# KiCad board bitdoglab_smd.kicad_pcb (continued)
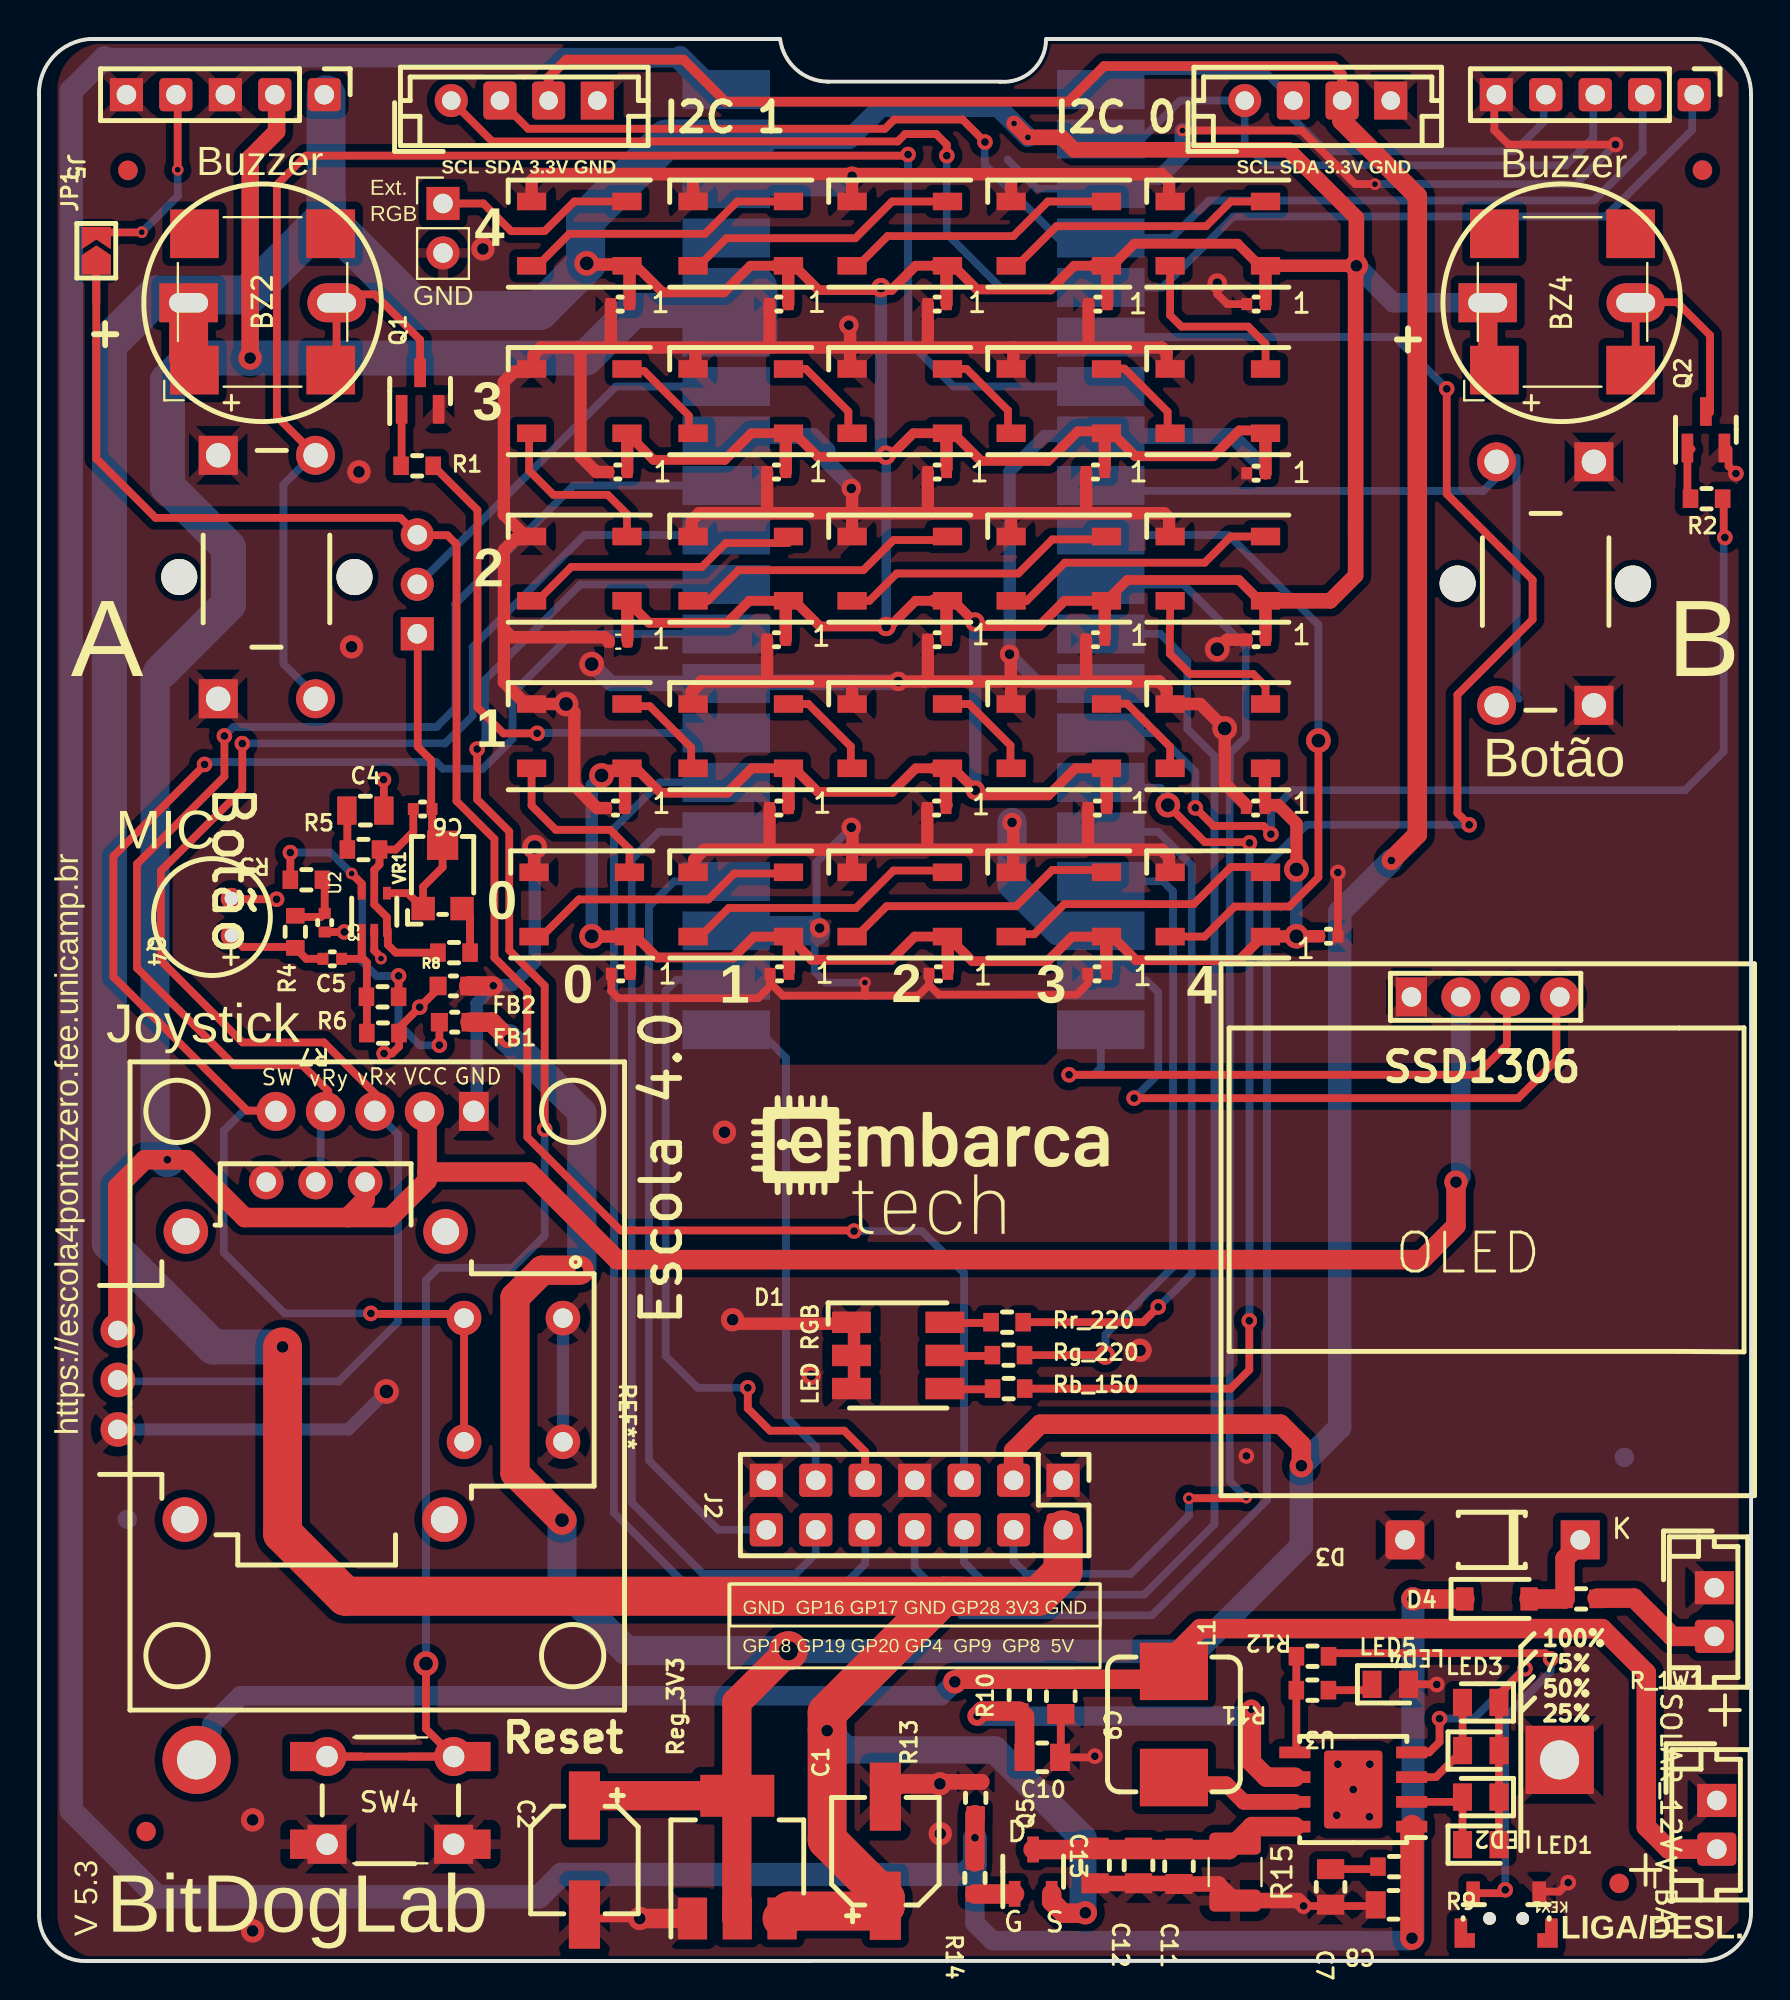
[diagram p0: board, top side]
## Footprints (pads in the part's own frame, mm; a bottom-side part is the same pattern mirrored in y, then rotated)
128x64OLED
  rect 1.6x2 hole 1: 1(-3.62,10.6)
  round 2 hole 1: 2(-1.08,10.6) 3(1.46,10.6) 4(4,10.6)
BatteryHolder_MPD_BH-18650-PC2
  round 3.5 hole 2: 1(0,0)
  rect 3.5x3.5 hole 2: 2(-70,0)
Buzzer_12x9.5RM7.6
  round 1.1 hole 0.7: 1(0.95,1) 2(-0.95,1)
Buzzer_12x9.5RM7.6#2
  rect 3x2 hole 2x1: 1(0,0)
  oval 3x2 hole 2x1: 2(7.6,0)
C_0402_1005Metric
  rrect 0.56x0.62 smd: 1(-0.48,0) 2(0.48,0)
C_0805_2012Metric
  rrect 1x1.45 smd: 1(-0.95,0) 2(0.95,0)
CP_Elec_5x5.9
  rrect 3.5x1.6 smd: 1(-2.8,0) 2(2.8,0)
D_SOD-123
  rrect 0.9x1.2 smd: 1(-1.65,0) 2(1.65,0)
D_T-1_P5.08mm_Horizontal
  rect 2x2 hole 1: 1(-2,0)
  rrect 2x2 hole 1: 2(7,0)
Fiducial_1mm_Mask2mm
  round 1 smd: Un1(0,0)
JST_EH_B2B-EH-A_1x02_P2.50mm_Vertical
  rrect 1.7x2 hole 1: 1(0,0) 2(2.5,0)
JST_EH_B4B-EH-A_1x04_P2.50mm_Vertical
  round 1.7 hole 0.95: 1(0,0)
  rrect 1.7x1.95 hole 0.95: 2(2.5,0) 3(5,0)
  rect 1.7x1.95 hole 0.95: 4(7.5,0)
ky-023
  rect 2x1.524 hole 1.1: 1(2.54,-7.745)
  round 2 hole 1.1: 2(2.54,-10.285) 3(2.54,-12.825) 4(2.54,-15.365) 5(2.54,-17.905)
L_0603_1608Metric
  rrect 0.875x0.95 smd: 1(-0.787,0) 2(0.787,0)
L_Bourns_SRP7028A_7.3x6.6mm
  rect 2.95x3.5 smd: 1(-2.725,0) 2(2.725,0)
LED_0805_2012Metric
  rrect 0.975x1.4 smd: 1(-0.938,0) 2(0.938,0)
LED_RGB_5050-6
  rect 2x1.1 smd: 1(-2.4,1.7) 2(-2.4,0) 3(-2.4,-1.7) 4(2.4,-1.7) 5(2.4,0) 6(2.4,1.7)
LED_WS2812B_PLCC4_5.0x5.0mm_P3.2mm
  rect 1.5x0.9 smd: 1(-2.45,1.65) 2(-2.45,-1.65) 3(2.45,-1.65) 4(2.45,1.65)
MagneticBuzzer_CUI_CMT-8504-100-SMT
  rect 2.5x2.5 smd: 1(-3.5,3.5) 2(-3.5,-3.5) 3(3.5,-3.5) 4(3.5,3.5)
PinHeader_1x02_P2.54mm_Vertical
  rect 1.7x1.7 hole 1: 1(0,0)
  oval 1.7x1.7 hole 1: 2(0,-2.54)
PinHeader_1x03_P2.54mm_Vertical
  rect 1.7x1.7 hole 1: 1(0,0)
  rrect 1.7x1.7 hole 1: 2(0,-2.54) 3(0,-5.08)
PinHeader_1x05_P2.54mm_Vertical
  rrect 1.7x1.7 hole 1: 1(0,0) 2(0,-2.54) 3(0,-5.08) 4(0,-7.62)
  rect 1.7x1.7 hole 1: 5(0,-10.16)
PinHeader_1x05_P2.54mm_Vertical#2
  rrect 1.7x1.7 hole 1: 1(0,0) 2(0,-2.54) 4(0,-7.62)
  rect 1.7x1.7 hole 1: 3(0,-5.08) 5(0,-10.16)
PinHeader_2x07_P2.54mm_Vertical
  rect 1.7x1.7 hole 1: 1(0,0) 7(0,-7.62) 13(0,-15.24)
  rrect 1.7x1.7 hole 1: 2(2.54,0) 3(0,-2.54) 4(2.54,-2.54) 5(0,-5.08) 6(2.54,-5.08) 8(2.54,-7.62) 9(0,-10.16) 10(2.54,-10.16) 11(0,-12.7) 12(2.54,-12.7) 14(2.54,-15.24)
Potentiometer_Bourns_TC33X_Vertical
  rect 1.2x1.2 smd: 1(-1.8,1) 3(-1.8,-1)
  rect 1.5x1.6 smd: 2(1.45,0)
R_0603_1608Metric
  rrect 0.8x0.95 smd: 1(-0.825,0) 2(0.825,0)
R_0603_1608Metric#2
  rrect 0.8x0.95 smd: 1(0.825,0) 2(-0.825,0)
R_0805_2012Metric
  rrect 1.025x1.4 smd: 1(-0.912,0) 2(0.912,0)
R_1210_3225Metric
  rrect 1.125x2.65 smd: 1(-1.462,0) 2(1.462,0)
RPi_PicoW_SMD_TH
  rect 4.5x2 smd: 1(9.62,-24.13) 2(9.62,-21.59) 3(9.62,-19.05) 4(9.62,-16.51) 5(9.62,-13.97) 6(9.62,-11.43) 7(9.62,-8.89) 8(9.62,-6.35) 9(9.62,-3.81) 10(9.62,-1.27) 11(9.62,1.27) 12(9.62,3.81) 13(9.62,6.35) 14(9.62,8.89) 15(9.62,11.43) 16(9.62,13.97) 17(9.62,16.51) 18(9.62,19.05) 19(9.62,21.59) 20(9.62,24.13) 21(-9.62,24.13) 22(-9.62,21.59) 23(-9.62,19.05) 24(-9.62,16.51) 25(-9.62,13.97) 26(-9.62,11.43) 27(-9.62,8.89) 28(-9.62,6.35) 29(-9.62,3.81) 30(-9.62,1.27) 31(-9.62,-1.27) 32(-9.62,-3.81) 33(-9.62,-6.35) 34(-9.62,-8.89) 35(-9.62,-11.43) 36(-9.62,-13.97) 37(-9.62,-16.51) 38(-9.62,-19.05) 39(-9.62,-21.59) 40(-9.62,-24.13)
SolderJumper-2_P1.3mm_Open_TrianglePad1.0x1.5mm
  custom 1.5x1.5 smd: (0.275,0)
  custom 1.15x1.5 smd: (1.225,-0.75)
  rect 0.3x0.3 smd: 1(-0.725,0) 2(0.725,0)
SOP-8_5.28x5.23mm_P1.27mm
  rrect 1.6x0.6 smd: 1(-3,1.905) 2(-3,0.635) 3(-3,-0.635) 4(-3,-1.905) 5(3,-1.905) 6(3,-0.635) 7(3,0.635) 8(3,1.905)
  rrect 3x4 smd: 9(0,0)
SOT-23
  rrect 1.475x0.6 smd: 1(-0.938,0.95) 2(-0.938,-0.95) 3(0.938,0)
SOT-23-3
  rrect 1.325x0.6 smd: 1(-1.137,0.95) 2(-1.137,-0.95) 3(1.137,0)
SOT-223
  rect 2.15x1.5 smd: 1(-3.15,2.3) 2(-3.15,0) 3(-3.15,-2.3)
  rect 2.15x3.8 smd: 4(3.15,0)
SOT-353_SC-70-5
  rect 0.65x0.4 smd: 1(-0.95,0.65) 2(-0.95,0) 3(-0.95,-0.65) 4(0.95,-0.65) 5(0.95,0.65)
SW_Push_1P1T_NO_6x6mm_H9.5mm
  rect 2.5x1.5 smd: 1(-3.9,2.25) 1(3.9,2.25) 2(-3.9,-2.25) 2(3.9,-2.25)
SW_PUSH_6mm
  round 2 hole 1.1: 1(0,0) 1(6.5,0)
  rect 2x2 hole 1.1: 2(0,-4.5) 2(6.5,-4.5)
SW_PUSH_6mm_b
  round 1.85 hole 1.85 unplated: (6.25,2) (6.25,-7)
  round 2 hole 1.25: 1(0,0) 1(12.5,0)
  rect 2x2 hole 1.25: 2(0,-5) 2(12.5,-5)
SW_SPST_CK_KMS2xxGP
  rrect 0.7x1.2 smd: 1(1.7,-1.3) 2(-1.7,-1.3)
  rect 0.4x0.75 smd: 3(1.8,1.13) 4(-1.8,1.13)
  rect 0.65x1.5 smd: 3(2.325,0.75) 4(-2.325,0.75)
  round 0.65 hole 0.65: Un1(-0.85,0) Un2(0.85,0)
XDCR_COM-09032
  round 1.778 hole 1: B1A(-3.175,12.7) B1B(3.175,12.7) B2A(-3.175,7.62) B2B(3.175,7.62) H1(-2.54,-10.16) H2(0,-10.16) H3(2.54,-10.16) V1(-10.16,2.54) V2(-10.16,0) V3(-10.16,-2.54)
  round 2.286 hole 1.397: S1(-7.62,6.668) S1(7.17,6.615) S2(-7.62,-6.668) S2(7.17,-6.72)

## Nets
+3.3V: C2.1 FB1.2 J2.3 J20.3 J21.3 Reg_3V3.2 Reg_3V3.4
AVCC: FB1.1 R3.2 R6.2 U2.5
GNDA: C3.2 C4.2 FB2.1 Q4.2 R7.1 U2.2
GNDREF: A1.3 A1.8 A1.13 A1.18 A1.23 A1.28 A1.33 A1.38 BT1.2 C1.2 C2.2 C7.2 C8.2 C9.2 C10.2 C11.2 C12.2 C13.2 C14.1 C15.1 C16.1 C17.1 C18.1 C19.1 C20.1 C21.1 C22.1 C23.1 C24.1 C25.1 C26.1 C27.1 C28.1 C29.1 C30.1 C31.1 C32.1 C33.1 C34.1 C35.1 C36.1 C37.1 C38.1 CARGA_SOLAR1.1 D1.1 D1.2 D1.3 D2.3 D3.2 D5.3 D6.3 D7.3 D8.3 D9.3 D10.3 D11.3 D12.3 D13.3 D14.3 D15.3 D16.3 D17.3 D18.3 D19.3 D20.3 D21.3 D22.3 D23.3 D24.3 D25.3 D26.3 D27.3 D28.3 FB2.2 J2.1 J2.7 J2.13 J3.2 J5.3 J5.5 J12.5 J19.1 J20.4 J21.4 KEY1.2 LED5.2 OLED1.1 Q1.2 Q2.2 R13.2 R15.2 REF**.B1A REF**.B1B REF**.H3 REF**.V3 Reg_3V3.1 SW1.2 SW2.2 SW3.2 SW4.2 U3.9 V_BAT1.1
VBUS: A1.40 C8.1 D4.1 R9.2 R13.1 R14.1 U3.1
3.3_OUT: A1.35 A1.36 J5.2 J19.2 OLED1.2 REF**.H1 REF**.V1
/GP0: A1.1 J12.4 J21.2
/GP01: A1.2 J12.3 J21.1
/GP02: A1.4 J12.2 J20.2
/GP03: A1.5 J12.1 J20.1
/GP04: A1.6 J2.8
/GP08: A1.11 J2.4
/GP09: A1.12 J2.6
/GP10: A1.14 R2.1
/GP11: A1.15 Rb_150.2
/GP12: A1.16 Rr_220.2
/GP13: A1.17 Rg_220.2
/GP16: A1.21 J2.11
/GP17: A1.22 J2.9
/GP18: A1.24 J2.14
/GP19: A1.25 J2.12
/GP20: A1.26 J2.10
/GP28: J1.3 J2.5 JP1.1
/GP28_uC: A1.34 J1.2
/in: A1.10 D2.4
/pino_07: A1.7 SW2.1
/pino_09: A1.9 SW3.1
/pino_19: A1.19 OLED1.4
/pino_20: A1.20 OLED1.3
/pino_27: A1.27 R1.1
/pino_29: A1.29 J19.5 REF**.B2A REF**.B2B
/pino_30: A1.30 SW1.1 SW4.1
/pino_31: A1.31 J19.3 REF**.H2
/pino_32: A1.32 J19.4 REF**.V2
/pino_37: A1.37
V_BAT +: BT1.1 C9.1 L1.2 R10.2 V_BAT1.2
VSYS: A1.39 BZ1.1 BZ2.1 BZ3.1 BZ4.1 C1.1 C14.2 C15.2 C16.2 C17.2 C18.2 C19.2 C20.2 C21.2 C22.2 C23.2 C24.2 C25.2 C26.2 C27.2 C28.2 C29.2 C30.2 C31.2 C32.2 C33.2 C34.2 C35.2 C36.2 C37.2 C38.2 D2.1 D5.1 D6.1 D7.1 D8.1 D9.1 D10.1 D11.1 D12.1 D13.1 D14.1 D15.1 D16.1 D17.1 D18.1 D19.1 D20.1 D21.1 D22.1 D23.1 D24.1 D25.1 D26.1 D27.1 D28.1 J2.2 J5.1 Q5.2 Reg_3V3.3
Net-(BZ1-+): BZ1.2 BZ2.2 Q1.3
Net-(BZ3-+): BZ3.2 BZ4.2 Q2.3
Net-(C3-P$1): C3.1 R3.1 R4.2
Net-(C4-P$1): C4.1 R5.1
Net-(C5-P$1): C5.1 Q4.1 R4.1
Net-(C5-P$2): C5.2 R6.1 R7.2 U2.1
Net-(C6-P$1): C6.1 J1.1 U2.4 VR1.1 VR1.2
Net-(C6-P$2): C6.2 R5.2 R8.1 U2.3
Net-(C7-Pad1): C7.1 R9.1
Net-(CARGA_SOLAR1-Pin_2): CARGA_SOLAR1.2 R_1W1.2
Net-(D1-BA): D1.4 Rb_150.1
Net-(D1-GA): D1.5 Rg_220.1
Net-(D1-RA): D1.6 Rr_220.1
Net-(D2-DOUT): D2.2 D5.4
Net-(D3-K): D3.1 D4.2 R_1W1.1
Net-(D5-DOUT): D5.2 D6.4
Net-(D6-DOUT): D6.2 D7.4
Net-(D7-DOUT): D7.2 D8.4
Net-(D10-DIN): D10.4 D11.2
Net-(D10-DOUT): D9.4 D10.2
Net-(D11-DIN): D11.4 D12.2
Net-(D12-DIN): D12.4 D13.2
Net-(D13-DIN): D8.2 D13.4
Net-(D14-DIN): D9.2 D14.4
Net-(D14-DOUT): D14.2 D15.4
Net-(D15-DOUT): D15.2 D16.4
Net-(D16-DOUT): D16.2 D17.4
Net-(D17-DOUT): D17.2 D18.4
Net-(D18-DOUT): D18.2 D25.4
Net-(D19-DIN): D19.4 D21.2
Net-(D19-DOUT): D19.2 D20.4
Net-(D20-DOUT): D20.2 D22.4
Net-(D21-DIN): D21.4 D23.2
Net-(D22-DOUT): D22.2 D24.4
Net-(D23-DIN): D23.4 D27.2
Net-(D24-DOUT): D24.2 D26.4
Net-(D25-DOUT): D25.2 D27.4
Net-(D26-DOUT): D26.2 D28.4
Net-(D28-DOUT): D28.2 J3.1
Net-(J5-Pin_4): J5.4 JP1.2
Net-(KEY1-Pad1): KEY1.1 R12.1
Net-(LED1-A): LED1.1 LED2.2 U3.2
Net-(LED1-K): LED1.2 LED2.1 LED3.2 LED4.1 U3.4
Net-(LED3-A): LED3.1 LED4.2 U3.3
Net-(LED5-A): LED5.1 R11.1
Net-(Q1-B): Q1.1 R1.2
Net-(Q2-B): Q2.1 R2.2
Net-(Q5-D): C11.1 C12.1 C13.1 Q5.3 R15.1 U3.8
Net-(Q5-G): Q5.1 R14.2
Net-(U3-BAT): C10.1 R10.1 U3.6
Net-(U3-KEY): R11.2 R12.2 U3.5
Net-(U3-SW): L1.1 U3.7
Net-(VR1-E): R8.2 VR1.3

Pads without a net: BZ2 3 4; BZ4 3 4; FID1 Un1; FID2 Un1; FID3 Un1; FID4 Un1; FID5 Un1; FID6 Un1; FID7 Un1; FID8 Un1; KEY1 3 4 Un1 Un2; REF** S1 S2

## Via types
v1: diameter 0.8, hole 0.4, Top to Bottom, 55 vias
v2: diameter 0.6, hole 0.3, Top to Bottom, 11 vias
v3: diameter 1.2, hole 0.6, Top to Bottom, 21 vias
v4: diameter 1.27, hole 0.711, Top to Bottom, 15 vias
v5: diameter 1, hole 0.5, Top to Bottom, 16 vias
v6: diameter 2, hole 1, Top to Bottom, 1 via

## Routing (per net, layer and track width the routed paths; a pad name or vN(x,y) marks a point on that pad's centre or on a via; arc(x,y) is an arc through that point)
+3.3V: length 241.9
  Top w0.5: 66.78,97 66.5,97.28 54.7,97.28 52.88,95.45 35.26,95.45 33.1,97.61 27.09,97.61 26.17,96.69 J20.3 ; J21.3 66.92,96.86
  Top w1: v3(64.83,25.43) 64.83,26.49 63.77,27.56 51.42,27.56 50.05,26.19 J2.3 ; FB1.2 23.24,48.2 v1(24.08,47.36) ; v1(69.45,56.5) 70.79,57.83 70.79,90.6 66.92,94.46 J21.3
  Top w1.5: Reg_3V3.4 28.51,8.49 C2.1 ; v4(26.86,22.63) 24.45,25.05 24.45,34.06 25.85,35.46 v1(27.75,35.46) ; v6(38.49,15.93) 35.84,13.28 35.84,2.21 Reg_3V3.2
  Bottom w1.2: v1(69.45,56.5) 66.8,53.85 66.8,27.4 v3(64.83,25.43) 64.83,21.32 59.42,15.9 38.52,15.9 v6(38.49,15.93)
  Bottom w1.5: v4(26.86,22.63) 26.86,19.25 30.17,15.94 38.48,15.94 v6(38.49,15.93) ; v1(27.75,35.46) 27.88,35.59 27.88,43.56 v1(24.08,47.36)
AVCC: length 20.4
  Top w0.4: v2(16.06,55.82) 16.57,55.31 U2.5 ; 18.46,50.58 v1(18.47,50.57) R6.2 ; R3.2 v1(12.91,56.9) 12.9,56.91 ; v1(20.56,47.02) FB1.1
  Bottom w0.4: v1(20.56,47.02) 19.54,47.02 18.47,48.09 v1(18.47,50.57) 17.33,50.57 16.6,51.3 16.6,55.28 v2(16.06,55.82) 14.98,56.9 v1(12.91,56.9)
GNDA: length 11.4
  Top w0.4: C4.2 17.71,60.63 v1(17.69,60.65) ; U2.2 17.22,51.88 17.6,51.5 17.57,51.46 v2(17.57,51.46) ; v1(15.68,52.83) C3.2 ; FB2.1 20.5,49.91 v1(19.55,48.97) 18.49,47.9 R7.1 18.49,46.94 18.13,46.59 v1(17.72,46.59) ; v1(12.2,54.51) 9.99,54.51 9.92,54.58
GNDREF: length 498.6
  Top w0.4: 13.5,6 SW1.2 ; 28.01,2.24 28.06,2.19 ; 28.06,2.19 v3(30.85,2.19) ; 28.06,2.19 28.03,2.19 27.79,1.95 ; C9.2 52.48,10.49 C10.2 54.17,10.46 v1(54.23,10.52) ; 45.71,50.11 45.16,49.56 42.42,49.56 ; 45.71,50.11 C16.1 ; 45.71,50.11 46.22,49.61 53.29,49.61 53.86,50.18 C15.1 ; 86.77,77.62 86.77,76.74 v1(87.15,76.36) ; C38.1 61.03,85.06 60.52,85.57 v5(60.52,86.13) ; 23.32,50.06 v1(23.33,50.07) ; v1(80.96,93.25) 75.47,93.25 74.74,93.98 74.74,95.81 ; v1(78.54,4.03) 78.08,3.57 77.11,3.57 ; v5(39.66,30.07) 39.71,30.02 ; C13.2 54.25,3.98 ; LED5.2 71.78,14.21 v1(71.79,14.2) ; SW1.2 22.6,6 ; 42.42,49.56 v2(42.42,50.23) ; 42.42,49.56 38.21,49.56 37.55,50.21 C17.1 37.55,50.05 36.93,49.43 29.75,49.43 29.39,49.78 C18.1 ; v3(46.27,9.1) 46.68,9.1 ; C8.2 68.59,2.83 v1(64.95,2.83) 64.91,2.83 ; C14.1 v1(66.71,55.88) ; v2(68.61,91.22) 67.6,91.22 64.85,93.97 v2(58.72,93.97) ; 58.52,3.98 C11.2
  Top w0.635: 41.66,82.83 45.59,82.83 ; 41.66,82.83 41.66,81.83 D23.3 ; 41.66,82.83 41.66,83.91 v5(41.59,83.98) ; 41.66,82.83 37.69,82.83 ; 45.59,82.83 45.65,82.89 C34.1 ; 45.59,82.83 50.04,82.83 ; 45.59,57.05 50.04,57.05 ; 45.59,57.05 41.78,57.05 ; 45.59,57.05 45.62,57.08 C23.1 ; 50.04,57.05 53.85,57.05 ; 50.04,57.05 50.04,58.38 v5(49.98,58.45) ; 50.04,57.05 50.04,56.12 49.93,56.01 ; 58.09,56.16 58.04,56.21 58.04,56.67 57.66,57.05 53.85,57.05 ; 23.88,68.35 23.88,72.42 24.45,72.99 24.87,72.99 24.87,73.13 ; 23.88,68.35 24.27,67.96 29.04,67.96 C28.1 ; 23.88,68.35 23.88,65.65 24.75,64.78 ; 49.91,65.69 49.91,67.02 v5(49.85,67.08) ; 49.91,65.69 45.47,65.69 ; 49.91,65.69 53.72,65.69 ; 49.91,65.69 49.93,65.67 D10.3 ; 27.56,82.83 29.34,82.83 ; 27.56,82.83 25.78,82.83 25.4,82.45 25.4,81.83 D25.3 25.17,81.59 24.42,81.59 23.88,81.05 23.88,74.25 25,73.13 D18.3 ; 27.56,82.83 27.81,82.58 27.81,77.24 28.62,76.44 C29.1 ; 29.34,82.83 29.37,82.86 C30.1 ; 29.34,82.83 33.72,82.83 ; D16.3 41.76,74.32 ; 41.76,74.32 41.76,75.55 v5(41.72,75.59) ; 41.76,74.32 45.85,74.32 ; 41.76,74.32 37.47,74.32 ; 45.85,74.32 49.91,74.32 ; 45.85,74.32 45.65,74.52 C33.1 ; 49.91,74.32 53.6,74.32 ; 49.91,74.32 49.93,74.31 D15.3 ; 41.66,65.69 41.76,65.58 D11.3 ; 41.66,65.69 v5(44.13,65.69) 45.47,65.69 ; 41.66,65.69 37.34,65.69 ; 50.04,82.83 50.04,81.84 D21.3 ; 50.04,82.83 53.85,82.83 ; C22.1 53.78,65.74 53.72,65.69 ; C27.1 28.66,59.19 28.11,59.74 ; 37.47,74.32 37.4,74.39 C31.1 ; 37.47,74.32 33.91,74.32 33.53,73.94 33.53,73.19 D17.3 ; C25.1 37.52,57.12 37.59,57.05 ; D12.3 33.53,64.59 33.53,65.18 34.04,65.69 37.34,65.69 ; 41.78,57.05 37.59,57.05 ; 41.78,57.05 41.76,57.03 41.76,55.98 ; 41.78,57.05 41.78,58.13 v5(41.72,58.19) ; 45.47,65.69 45.65,65.87 C24.1 ; D27.3 33.72,81.85 33.72,82.83 ; 53.6,74.32 53.78,74.51 C35.1 ; 53.6,74.32 57.79,74.32 58.04,74.07 58.04,73.18 D14.3 ; 53.85,57.05 53.88,57.08 C21.1 ; 33.72,82.83 37.69,82.83 ; 28.11,59.74 27.5,60.35 27.5,64.1 v4(27.07,64.53) D13.3 ; 28.11,59.74 28.39,59.46 ; D26.3 33.59,91.66 33.53,91.72 49.79,91.72 ; 34.38,91.72 25.64,91.72 25.3,91.39 D28.3 ; 37.59,57.05 34.16,57.05 33.66,56.54 33.66,55.95 D7.3 ; C32.1 37.52,83 37.69,82.83 ; 37.34,65.69 37.4,65.74 C26.1 ; 53.72,65.69 57.53,65.69 57.91,65.31 57.91,64.53 59.64,64.53 v4(60.9,63.27) 60.9,60.44 62.01,59.34 ; D24.3 v5(41.76,91.62) ; C20.1 61.01,67.83 v4(60.52,67.34) ; D19.3 58.05,81.73 57.91,81.86 57.91,82.58 57.66,82.83 53.85,82.83 ; D2.3 58.23,56.02 ; 49.79,91.72 57.67,91.72 58.04,91.35 58.04,90.38 D20.3 ; 49.79,91.72 49.93,91.58 D22.3 ; 53.85,82.83 53.91,82.89 C36.1 ; 41.86,29.32 41.86,32.72 35.98,32.72 35.78,32.92 v3(35.62,32.92) ; D8.3 25.43,57.14 v4(25.46,57.18)
  Top w0.8: v1(64.95,2.83) 64.67,3.1 R15.2 60.58,3.95 C11.2 ; 54.25,3.98 58.52,3.98 ; v3(46.27,9.1) 46.38,9.2 48.43,9.2
  Top w1: FB2.2 23.32,50.06 ; v3(46.27,9.1) 44.13,9.1 C1.2 ; v3(30.85,2.19) Reg_3V3.1
  Bottom w0.4: 39.9,52.89 40.04,53.03 v5(40.09,53.03) ; v5(41.72,58.19) 39.93,56.41 39.93,53.18 v5(40.09,53.03) ; v2(68.61,91.22) 78.93,91.22 v1(80.96,93.25) ; v5(40.09,53.03) 39.84,52.77 39.84,50.8 40.41,50.23 v2(42.42,50.23) ; 52.9,52.89 A1.18 ; 53.9,90.99 51.23,90.99 49.76,92.46 49.76,92.49
  Bottom w0.635: 22.47,43.66 22.47,49.16 23.33,50.02 v1(23.33,50.07) 23.37,50.1 24.3,50.1 25.46,51.26 v4(25.46,57.18) ; A1.8 51.65,78.29 49.85,76.48 v5(49.85,67.08) 51.35,65.59 A1.13 ; REF**.H3 15.9,27.29 v4(17.84,29.24) ; REF**.B1B REF**.B1A
  Bottom w0.8: v2(58.72,93.97) 58.72,92.72 57.59,91.59 55.13,91.59 A1.3 53.9,90.99 ; v5(44.13,65.69) 44.08,65.64 35.35,65.64 A1.28 29.38,65.59 v4(28.39,66.58) ; v5(41.76,91.62) 41.63,91.62 41,90.99 A1.38 ; A1.33 39.79,78.29 40.5,77.58 40.5,76.94 41.72,75.72 v5(41.72,75.59) ; 62.65,76.92 61.28,78.29 A1.8
  Bottom w1.5: v5(49.98,58.45) 49.98,55.27 52.36,52.89 52.9,52.89 ; 36.92,52.89 39.9,52.89
  vias: v1(62.01,25.93) v1(66.65,7.49) v1(66.71,10.11) v1(67.5,8.81) v1(68.35,10.11) v1(68.33,7.41) v3(10.97,7.25) v3(10.97,1.55) v3(16.05,67.47) v3(16.43,76.45) v3(22.8,87.89) v3(35.2,42.55) v3(46.29,6.54) v3(56.55,31.35)
VBUS: length 237.2
  Top w0.4: 70.41,4.49 70.4,4.51 70.4,6.8 U3.1 ; 48.07,7.51 R13.1
  Top w0.8: U3.1 70.5,2.91 C8.1
  Top w1: R14.1 48.07,7.51 ; v3(70.56,18.59) D4.1
  Top w1.2: v3(70.51,1.18) 70.51,6.9
  Bottom w1: 48.07,4.8 48.07,1.95 48.97,1.05 70.39,1.05 v3(70.51,1.18) 70.56,1.23 ; 32.91,97.71 3.36,97.71 ; 34.55,96.07 36.92,96.07
  Bottom w1.2: 48.07,4.8 v1(48.07,6.33) 48.07,4.98 47.53,4.45 26.83,4.45 25.68,3.3 6.09,3.3 1.66,7.73 1.66,96.01 3.36,97.71 ; 70.56,1.23 v3(70.56,18.59) ; 34.55,96.07 32.91,97.71
3.3_OUT: length 190.6
  Top w0.9: 12.2,95.81 12.2,93.91 10.84,92.55 v3(10.84,82.29)
  Top w1: REF**.V1 16.75,39.07 15.84,38.17 ; 19.93,40.51 25.18,40.51 29.68,36.01 71.03,36.01 72.77,37.75 v3(72.77,39.99) ; 19.93,40.51 19.93,40.06 18.04,38.17 15.84,38.17 ; 19.93,40.51 19.93,43.66 ; REF**.H1 4.05,39.75 5.44,41.14 v1(6.59,41.14) 7.59,41.14 10.56,38.17 15.84,38.17
  Bottom w0.4: 72.7,40.06 v3(72.77,39.99)
  Bottom w1: v3(72.77,39.99) 72.77,40.04 73.03,40.29 OLED1.2
  Bottom w1.5: 6.24,41.49 5.96,41.77 5.96,65.89 6.24,66.17
  Bottom w1.8: 6.24,41.49 v1(6.59,41.14) ; 6.24,66.17 9.73,69.66 9.73,72.57 6.59,75.71 6.59,81.13 7.75,82.29 v3(10.84,82.29) 28.07,82.29 30.52,84.74 36.92,84.74
  Bottom w2: 36.92,83.37 36.92,85.91
/GP0: length 29.1
  Bottom w0.4: 77.28,95.81 77.28,94.41 75.78,92.91 66.07,92.91 64.42,94.56 J21.2 62.9,97.03 56.28,97.03 55.32,96.07 52.9,96.07
/GP01: length 33.2
  Bottom w0.4: 52.9,93.53 56.62,93.53 58.6,95.51 J21.1 61.92,93.29 63.03,92.18 78.42,92.18 79.82,93.59 79.82,95.81
/GP02: length 67.3
  Top w0.4: v1(48.58,93.38) 47.43,94.53 43.92,94.53 43.45,94.06 25.12,94.06 J20.2
  Bottom w0.4: 82.36,95.81 82.36,92.88 79.86,90.38 60.09,90.38 58.16,88.45 A1.4 ; v1(48.58,93.38) 48.57,93.37 48.57,92.22 52.34,88.45 54.39,88.45
/GP03: length 76.6
  Top w0.4: J20.1 23.27,93.41 44.1,93.41 44.48,93.79 46.08,93.79 46.62,93.24 v1(46.62,92.68)
  Bottom w0.4: v1(46.62,92.68) 46.62,88.68 49.39,85.91 53.8,85.91 ; 53.8,85.91 A1.5 57.7,85.91 61.35,89.56 80.46,89.56 84.9,94 84.9,95.81 ; 53.8,85.91 53.95,86.06 54.53,86.06
/GP04: length 113.9
  Top w0.4: v1(72.3,80.71) 72.3,75.31 76.71,70.9 76.71,68.87 72.85,65.01 72.85,58.93 v1(73.45,58.33)
  Bottom w0.4: J2.8 44.97,20.16 47.39,17.75 57.16,17.75 63.07,23.66 63.07,56.29 65.11,58.33 v1(73.45,58.33) ; v1(72.3,80.71) 69.64,83.37 52.9,83.37
/GP08: length 70.5
  Top w0.4: v2(59.06,23.76) 61.97,23.76 v2(62,23.79)
  Bottom w0.4: J2.4 50.05,20.52 50.7,19.88 56.07,19.88 59.06,22.87 v2(59.06,23.76) ; v2(62,23.79) 61.16,24.63 61.16,62 61.98,62.82 61.98,67.46 58.77,70.67 53.15,70.67
/GP09: length 68.3
  Bottom w0.4: J2.6 47.52,20.46 49.17,18.81 56.76,18.81 60.37,22.42 60.37,61.86 58.98,63.25 58.98,66.74 57.59,68.13 52.9,68.13
/GP10: length 50.7
  Top w0.4: 86.52,75.06 86.52,73.14 v1(86.58,73.08) ; 59.38,59.21 60.32,58.27 62.89,58.27 63.29,57.87
  Bottom w0.4: v1(59.39,59.2) 59.39,61.04 57.38,63.05 A1.14 ; v1(63.27,57.85) 63.27,58.99 64.39,60.11 84.54,60.11 86.52,62.09 86.52,73.01 v1(86.58,73.08)
/GP11: length 49.8
  Top w0.4: v1(62.16,32.87) 62.16,30.35 61.2,29.38 Rb_150.2 ; v1(62.17,57.4) 62.13,57.44 59.88,57.44 v4(57.98,59.34)
  Bottom w0.4: v4(57.98,59.34) 57.98,59.85 57.6,60.23 54.81,60.23 A1.15 52.9,60.51 ; v1(62.16,32.87) 62.17,32.88 v1(62.17,57.4)
/GP12: length 36
  Top w0.4: v1(57.48,33.58) 56.7,32.79 Rr_220.2
  Bottom w0.4: A1.16 57.48,57.97 59.2,56.24 59.2,35.27 57.51,33.58
/GP13: length 33.3
  Top w0.4: v5(54.77,31.11) 54.77,31.1 Rg_220.2
  Bottom w0.4: v5(54.77,31.11) 54.77,32.15 58.25,35.62 58.25,54.91 57.73,55.43 A1.17
/GP16: length 24.4
  Bottom w0.4: J2.11 39.89,26.4 38.36,27.93 38.36,46.37 36.92,47.81
/GP17: length 38.1
  Top w0.4: J2.9 42.43,26.15 41.35,27.23 37.54,27.23 36.4,28.37 v1(36.4,29.43)
  Bottom w0.4: 36.92,50.35 36.89,50.38 32.75,50.38 32.18,49.81 32.18,31.07 33.82,29.43 v1(36.4,29.43)
/GP18: length 42.1
  Bottom w0.4: 36.92,55.43 32.62,55.43 31.32,54.13 31.32,25.7 34.89,22.14 J2.14
/GP19: length 52.7
  Bottom w0.4: 36.92,57.97 31.84,57.97 30.44,56.57 30.44,23.53 34.1,19.88 38.87,19.88 39.89,20.9 J2.12
/GP20: length 60.5
  Bottom w0.4: 36.92,60.51 31.89,60.51 29.53,58.14 29.53,23.01 33.61,18.93 40.97,18.93 42.43,20.39 J2.10
/GP28: length 100.4
  Top w0.4: 2.94,85.16 2.94,87.37 ; 2.94,85.16 JP1.1 ; 2.94,85.16 2.94,77.13 5.99,74.08 18.57,74.08 19.45,73.19 20.98,73.19 21.44,72.72 21.44,59.55 23.39,57.6 23.39,51.5 25.08,49.81 25.08,42.29 29.87,37.51 41.83,37.51 v1(41.86,37.47)
  Bottom w0.4: J2.5 47.52,35.3 45.35,37.47 v1(41.86,37.47)
/GP28_uC: length 20.1
  Bottom w0.4: A1.34 29.63,80.83 19.45,70.65
/in: length 36.6
  Top w0.4: v4(65.71,62.65) 65.71,55.63 64.21,54.13 61.41,54.13 59.86,52.59 D2.4
  Bottom w0.4: v4(65.71,62.65) 65.71,68.59 61.09,73.21 A1.10 52.9,73.21
/pino_07: length 80.4
  Top w0.4: v1(44.63,92.74) 44.58,92.68 13.71,92.68 12.22,91.19 12.22,79.28 SW2.1
  Bottom w0.4: v1(44.63,92.74) 44.63,83.17 46.97,80.83 52.9,80.83 ; 14.2,77.45 12.55,75.8 12.55,66.6 14.2,64.95
/pino_09: length 36.2
  Bottom w0.4: 52.9,75.75 53.18,75.47 74.17,75.47 75.88,77.18 75.88,64.92 76,64.8
/pino_19: length 36.5
  Top w0.4: 77.93,49.49 77.93,46.25 75.97,44.3 v1(56.24,44.3)
  Bottom w0.4: 52.9,50.35 A1.19 56.86,50.35 57.48,49.73 57.48,45.53 v1(56.24,44.3)
/pino_20: length 29.3
  Top w0.4: v1(52.9,45.5) 73.84,45.5 75.39,47.04 75.39,49.49
  Bottom w0.4: v1(52.9,45.5) 54.17,45.5 54.53,45.86 A1.20
/pino_27: length 28.4
  Top w0.4: 25.59,63.02 23.85,63.02 22.52,64.35 22.52,74.49 R1.1
  Bottom w0.4: 25.49,63.05 A1.27 36.92,63.05
  vias: v1(25.59,63.02)
/pino_29: length 85
  Top w0.4: REF**.B2B REF**.B2A 21.62,33.22 17.07,33.22 v1(17.04,33.25) ; v1(8.5,61.43) 8.5,61.4 3.82,56.72 3.82,50.53 10.69,43.66 12.31,43.66
  Bottom w0.4: v1(8.5,61.43) 8.62,61.55 20.4,61.55 20.74,61.21 22.79,61.21 24.32,62.73 24.32,65.08 27.37,68.13 A1.29 ; v1(17.04,33.25) 12.61,33.25 9.49,36.37 9.49,42.63 10.52,43.66 12.31,43.66
/pino_30: length 91.4
  Top w0.4: 16.58,10.5 13.5,10.5 ; 16.58,10.5 19.03,10.5 ; 16.58,10.5 SW1.1 ; v1(25.97,42.7) 25.97,50.07 24.15,51.89 24.15,57.98 22.5,59.63 v1(22.5,62.22) ; 19.03,10.5 SW1.1 19.88,11.92 v4(19.88,15.27) ; 19.03,10.5 22.6,10.5
  Bottom w0.4: v1(22.5,62.22) 22.92,62.64 22.92,65.79 27.8,70.67 36.92,70.67 ; v1(25.97,42.7) 25.97,37.24 24.32,35.59 20.51,35.59 19.88,34.95 v4(19.88,15.27)
/pino_31: length 85.6
  Top w0.4: 17.29,43.76 17.29,44.5 14.63,47.16 10.45,47.16 6.26,51.35 6.26,55.97 10.44,60.15 v1(10.44,62.5)
  Bottom w0.4: 17.39,43.48 18.44,42.44 18.44,32.8 15.39,29.76 4.13,29.76 REF**.H2 ; v1(10.44,62.5) 10.45,62.51 20.85,62.51 22.27,63.93 22.27,67.46 28.02,73.21 A1.31
/pino_32: length 65.5
  Top w0.4: v1(9.52,62.89) 9.52,60.8 5.03,56.32 5.03,50.98 10.02,45.99 13.53,45.99 14.85,44.66 14.85,43.66
  Bottom w0.4: 35.51,75.75 27.46,75.75 21.38,69.66 21.38,64.3 20.42,63.35 9.98,63.35 v1(9.52,62.89) ; REF**.V2 14.47,40.25 14.47,43.38 J19.4
V_BAT +: length 92.5
  Top w0.4: 50.43,14.33 50.43,14.33 ; 52.82,14.53 52.5,14.21 ; L1.2 58.29,15.71
  Top w1: V_BAT1.2 83.69,5.74 82.55,6.89 82.55,14.8 80.28,17.07 59.64,17.07 58.29,15.71 ; v3(47.03,14.33) 47.17,14.47 54.02,14.47 ; 58,14.53 57.93,14.47 54.02,14.47 ; 54.02,14.47 52.88,14.47 52.82,14.53
  Bottom w1: BT1.1 8.09,11 8.88,11.78 8.88,12.14 10.35,13.62 46.32,13.62 v3(47.03,14.33)
VSYS: length 552.4
  Top w0.5: D7.1 39.69,51.4 43.78,51.4 44.97,52.59 D6.1 ; 62.69,87.02 61.56,88.16 56.26,88.16 55.13,87.02 ; 37.89,52.59 36.72,52.59 35.65,51.52 31.74,51.52 30.63,52.63 ; 38.79,61.23 40,60.02 43.82,60.02 45.03,61.23 45.99,61.23 ; 55.13,52.59 56.34,51.38 61.64,51.38 62.92,52.66 ; 54.17,87.02 53.17,87.02 51.95,85.81 48.18,85.81 46.96,87.02 ; 46.96,69.83 48.06,68.73 ; 38.79,78.43 40,77.22 43.42,77.22 v5(43.5,77.3) 43.77,77.3 44.9,78.43 D23.1 ; 38.79,69.83 40.11,68.51 43.7,68.51 45.02,69.83 45.95,69.83 ; 30.63,61.27 31.92,59.98 35.36,59.98 36.61,61.23 38.19,61.23 ; 46.05,87.02 45.03,87.02 43.78,85.78 43.37,85.78 v5(43.24,85.9) 43.12,85.78 40.04,85.78 38.79,87.02 ; 54.26,61.23 53.23,61.23 51.84,59.84 48.35,59.84 v5(48.09,60.1) 46.96,61.23 ; 46.67,52.59 47.94,51.33 51.8,51.33 53.06,52.59 D5.1 ; 37.85,87.02 36.54,87.02 35.17,85.66 32.03,85.66 30.63,87.06 ; 38.19,69.83 36.48,69.83 35.35,68.7 31.33,68.7 D18.1 ; 62.56,69.96 61.63,70.89 55.89,70.89 D15.1 ; 46.96,78.43 48.38,77.01 51.83,77.01 53.35,78.53 54.43,78.53 ; 48.09,68.7 48.26,68.53 51.37,68.53 52.67,69.83 54.53,69.83 ; 38.19,78.43 36.59,78.43 35.22,77.06 31.57,77.06 30.63,78 30.63,78.47 ; 62.99,78.57 61.64,78.57 60.32,77.25 56.31,77.25 55.13,78.43
  Top w0.635: 54.83,52.59 54.82,52.57 54.82,50.84 54.83,50.83 ; 54.83,52.59 55.13,52.59 ; 54.83,52.59 D5.1 ; C32.2 38.48,87.01 ; 38.49,69.83 38.36,69.69 C26.2 ; v4(64.58,56.04) 64.58,58.4 63.64,59.34 62.97,59.34 ; D15.1 55.13,69.83 55.26,69.96 ; D25.1 30.21,78.42 C29.2 ; C37.2 62.99,76.38 D19.1 ; v4(28.13,87.15) 28.19,87.09 30.01,87.09 30.07,87.15 D28.1 30.22,87.02 30.33,86.92 C30.2 ; 62.97,59.46 62.97,61.2 ; D2.1 63,52.6 64.57,52.6 v4(64.58,52.61) C14.2 ; C31.2 38.36,78.29 38.49,78.43 ; 30.1,61.13 30.1,59.2 C27.2 ; 30.1,61.13 D13.1 ; 30.1,61.13 30.07,61.09 29.3,61.09 29.07,60.86 v4(28.89,60.86) ; C20.2 D14.1 62.86,69.96 62.56,69.96 ; D23.1 46.61,78.38 46.61,76.61 ; D16.1 46.61,69.78 C24.2 ; 46.67,50.83 46.67,52.59 D6.1 ; v4(28.39,52.61) 28.4,52.59 D8.1 ; 30.22,67.83 30.22,69.81 D18.1 ; D12.1 38.49,59.2 C25.2 38.48,59.46 ; D10.1 54.84,61.22 C21.2 ; C18.2 30.35,52.59 ; D9.1 63.13,61.36 ; D11.1 46.58,61.15 46.58,59.37 46.61,59.34 ; 45.95,69.83 46.36,69.83 ; C34.2 46.61,86.97 D24.1 ; 54.74,76.61 54.74,78.34 D21.1 ; 54.26,61.23 54.53,61.23 ; 46.05,87.02 46.36,87.02 ; 37.85,87.02 38.19,87.02 ; D22.1 54.87,86.99 C36.2 ; v3(67.66,87.02) D20.1 ; D20.1 62.69,87.02 ; D20.1 C38.2 ; 45.99,61.23 46.36,61.23 ; 54.43,78.53 54.53,78.43 ; 38.51,50.83 38.51,52.57 D7.1 37.89,52.59 ; 54.17,87.02 54.53,87.02 ; 54.74,67.97 54.74,69.74
  Top w0.8: D14.1 66.32,69.83 67.62,71.13 67.62,86.98 v3(67.66,87.02) 67.66,89.49 64.17,92.98 53.16,92.98 52.52,93.62 v2(50.79,93.62) v2(50.08,94.33)
  Top w1: Q5.2 52.01,3.06 52.61,2.46 53.76,2.46 ; BZ4.1 74.4,82.01 BZ3.1
  Top w2: v3(12.51,31.52) 12.51,21.95 15.74,18.73 51.32,18.73 52.59,20 J2.2 ; Reg_3V3.3 38.54,2.57 43.2,2.57 C1.1 43.47,3.23 40.48,6.22 v3(40.48,11.82) 40.48,12.76 46.45,18.73 47.33,18.73 ; BZ1.1 7.68,82.33 7.98,82.03
  Bottom w0.5: v5(43.5,77.3) 43.51,77.29 v5(43.51,68.51)
  Bottom w0.635: v5(48.07,68.74) 48.09,68.72 v5(48.09,60.1) ; v5(43.5,77.3) 43.24,77.55 v5(43.24,85.9) ; v4(28.89,60.86) 28.39,60.35 v4(28.39,52.61) ; v4(64.58,52.61) v4(64.58,56.04)
  Bottom w1: v2(50.79,93.62) 49.24,95.17 43.25,95.17 41.61,93.53 36.92,93.53 ; BZ3.1 69.56,85.13 v3(67.66,87.02)
  Bottom w1.2: 53.62,2.6 53.69,2.53 53.74,2.53
  Bottom w1.4: v3(40.48,11.82) 41.47,10.84 49.09,10.84 53.62,6.31 53.62,2.6
  Bottom w1.8: 3.75,83.24 3.61,83.1 3.61,36.86 8.95,31.52 v3(12.51,31.52)
  Bottom w2: 14.74,90.58 14.74,89.48 19.5,84.73 25.71,84.73 v4(28.13,87.15) ; 14.74,90.58 14.74,95.81 ; 14.74,90.58 14.74,89.51 10.76,85.53 6.04,85.53 3.75,83.24 ; 36.92,93.53 A1.39 32.22,93.53 28.07,89.38 28.07,87.15
  vias: v3(53.74,2.48)
Net-(BZ1-+): length 10.7
  Top w0.4: Q1.3 19.57,83.22 17.24,85.56 15.12,85.56 ; 14.98,82.03 15.28,82.33 15.28,85.53
Net-(BZ3-+): length 11.9
  Top w0.4: BZ4.2 82,81.93 BZ3.2 ; 82.12,85.16 84.12,85.16 85.82,83.46 85.82,79.49
Net-(C3-P$1): length 3.7
  Top w0.4: 12.88,53.69 12.98,53.6 14.48,53.6 C3.1 14.67,55.39 R3.1
Net-(C4-P$1): length 2
  Top w0.4: R5.1 15.84,59.03 C4.1
Net-(C5-P$1): length 5.2
  Top w0.4: Q4.1 10.47,52.06 13.12,52.06 13.73,51.45 C5.1
Net-(C5-P$2): length 6.5
  Top w0.4: 16.65,51.45 16.84,51.26 R7.2 ; 16.65,51.45 C5.2 ; 16.65,51.45 16.57,51.53 U2.1
Net-(C6-P$1): length 18.4
  Top w0.4: U2.4 18.94,54.82 VR1.1 19.73,55.15 20.73,56.15 VR1.2 20.18,57.82 C6.1 20.14,59.18 20.14,61.64 19.45,62.33 19.45,68.11 ; 20.46,57.81 20.78,57.81 21.19,57.39 21.19,57.08
Net-(C6-P$2): length 11.3
  Top w0.4: R8.1 18.32,51.77 17.92,52.17 17.92,52.92 ; C6.2 19.22,57.97 18.31,57.06 R5.2 17.49,56.28 17.22,56.01 17.22,54.24 17.87,53.59 U2.3
Net-(C7-Pad1): length 2.5
  Top w0.4: R9.1 68.64,4.72 C7.1
Net-(CARGA_SOLAR1-Pin_2): length 6.8
  Top w1: CARGA_SOLAR1.2 83.88,16.67 81.92,18.63 80.03,18.63
Net-(D1-BA): length 2.3
  Top w0.4: 46.66,29.32 46.69,29.35 48.94,29.35 Rb_150.1
Net-(D1-GA): length 2.3
  Top w0.4: 46.66,31.02 46.7,31.06 48.92,31.06 Rg_220.1
Net-(D1-RA): length 2.3
  Top w0.4: Rr_220.1 48.86,32.76 46.7,32.76 46.66,32.72
Net-(D2-DOUT): length 14.5
  Top w0.4: 62.99,56.16 61.21,56.16 59.31,54.26 52.66,54.26 51.11,52.71 49.93,52.71
Net-(D3-K): length 5.2
  Top w1: D4.2 R_1W1.1 78.38,20.66 79.26,21.54
Net-(D5-DOUT): length 14.4
  Top w0.4: 41.76,52.68 42.06,52.68 43.53,54.15 50.18,54.15 52.04,56.01 54.83,56.01
Net-(D6-DOUT): length 14.2
  Top w0.4: 33.89,52.53 35.42,54.06 41.96,54.06 43.89,55.98 46.66,55.98
Net-(D7-DOUT): length 14.1
  Top w0.4: 25.73,52.5 27.73,54.5 34.38,54.5 35.71,55.83 38.49,55.83
Net-(D10-DIN): length 5.4
  Top w0.4: 49.9,61.23 49.9,62.4 47.77,64.53 46.6,64.53
Net-(D10-DOUT): length 5.7
  Top w0.4: 55.03,64.29 54.8,64.53 54.81,64.54 55.88,64.54 58.09,62.33 D9.4
Net-(D11-DIN): length 5.3
  Top w0.4: 38.4,64.53 39.52,64.53 41.7,62.35 41.7,61.23
Net-(D12-DIN): length 5.3
  Top w0.4: D13.2 30.31,64.42 31.37,64.42 33.5,62.29 33.5,61.23
Net-(D13-DIN): length 9
  Top w0.4: D13.4 25.3,59.31 26.54,58.07 29.34,58.07 30.33,57.08 30.33,55.93
Net-(D14-DIN): length 9.2
  Top w0.4: D9.2 62.99,65.43 62.36,66.07 59.12,66.07 58.08,67.11 58.08,68.43 58.09,68.45 D14.4
Net-(D14-DOUT): length 14.4
  Top w0.4: D14.2 61.21,73.13 59.87,71.78 52.69,71.78 50.73,69.83 D15.4
Net-(D15-DOUT): length 14.4
  Top w0.4: 54.83,72.97 52.04,72.97 50.3,71.23 44.05,71.23 42.65,69.83 D16.4
Net-(D16-DOUT): length 14.4
  Top w0.4: 46.66,72.94 43.89,72.94 42.34,71.4 35.93,71.4 34.36,69.83 D17.4
Net-(D17-DOUT): length 14.4
  Top w0.4: 38.49,72.79 35.28,72.79 34.05,71.57 27.34,71.57 25.85,70.08 25.55,70.08 D18.4
Net-(D18-DOUT): length 9
  Top w0.4: D18.2 30.2,74.28 29.21,75.27 26.42,75.27 25.17,76.51 25.17,78.43
Net-(D19-DIN): length 5.7
  Top w0.4: 54.91,81.49 54.67,81.73 54.69,81.74 55.75,81.74 57.97,79.53 57.97,78.43
Net-(D19-DOUT): length 9.3
  Top w0.4: D20.4 58.09,84.48 58.68,83.9 62.1,83.9 62.99,83.01 D19.2
Net-(D20-DOUT): length 14.4
  Top w0.4: D20.2 61.21,90.32 59.94,89.06 52.26,89.06 50.23,87.02 D22.4
Net-(D21-DIN): length 5.4
  Top w0.4: 49.77,78.43 49.77,79.6 47.64,81.73 46.47,81.73
Net-(D22-DOUT): length 14.5
  Top w0.4: D24.4 42.06,87.02 43.58,88.55 50.04,88.55 51.82,90.32 54.67,90.32 54.83,90.17
Net-(D23-DIN): length 5.3
  Top w0.4: 41.57,78.43 41.57,79.54 39.39,81.73 38.27,81.73
Net-(D24-DOUT): length 14.5
  Top w0.4: D26.4 33.89,87.02 35.31,88.44 41.93,88.44 43.82,90.32 46.48,90.32 46.66,90.14
Net-(D25-DOUT): length 5.2
  Top w0.4: 30.07,81.73 30.18,81.62 31.09,81.62 33.37,79.34 33.37,78.43
Net-(D26-DOUT): length 14.2
  Top w0.4: 38.16,90.32 35.87,90.32 34.21,88.67 27.24,88.67 25.6,87.02 D28.4
Net-(D28-DOUT): length 10.7
  Top w0.4: D28.2 27.5,90.32 25.97,88.8 24.25,88.8 22.82,90.22 J3.1
Net-(J5-Pin_4): length 9.9
  Top w0.4: 3.2,88.69 3.25,88.74 5.27,88.74 v2(5.28,88.75) ; 7.12,95.81 v2(7.12,91.95)
  Bottom w0.4: v2(7.12,91.95) 7.13,91.95 7.13,90.6 v2(5.28,88.75)
Net-(KEY1-Pad1): length 26.2
  Top w0.4: v1(75.3,3.66) 75.13,3.49 KEY1.1 ; 66.22,15.54 66.49,15.81 77.34,15.81 v1(77.63,15.52)
  Bottom w0.4: v1(75.3,3.66) 75.3,12.52 77.63,14.85 v1(77.63,15.52)
Net-(LED1-A): length 5.2
  Top w0.4: U3.2 72.86,8.17 LED2.2 73.11,5.98 LED1.1
Net-(LED1-K): length 17.9
  Top w0.4: v1(76.32,15.01) 74.99,13.67 LED1.2 ; U3.4 71.39,10.71 71.93,11.25 v1(71.93,12.45)
  Bottom w0.4: v1(76.32,15.01) 76.24,15.01 73.68,12.45 v1(71.93,12.45)
Net-(LED3-A): length 5.6
  Top w0.4: LED4.2 73.11,13.27 LED3.1 71.75,9.44 U3.3
Net-(LED5-A): length 2.4
  Top w0.4: LED5.1 68.16,13.91 R11.1
Net-(Q1-B): length 2.9
  Top w0.4: R1.2 18.62,76.78 Q1.1
Net-(Q2-B): length 2.7
  Top w0.4: 84.87,77.62 84.66,77.4 84.66,75.27 84.87,75.06
Net-(Q5-D): length 13.9
  Top w1: Q5.3 61.12,5.72 62.3,6.9 U3.8
Net-(Q5-G): length 2
  Top w0.4: 50.1,3.44 Q5.1
  Top w1: R14.2 50.1,3.44
Net-(U3-BAT): length 24.3
  Top w0.4: R10.1 50.62,12.56
  Top w1: U3.6 63.04,9.44 62.26,10.22 v1(62.26,12.93) ; v1(48.18,12.58) 48.43,12.83 R10.1 ; C10.1 50.62,12.56
  Bottom w1: v1(48.18,12.58) 61.91,12.58 v1(62.26,12.93)
Net-(U3-KEY): length 4.9
  Top w0.4: U3.5 64.57,10.79 64.57,15.54
Net-(U3-SW): length 6.9
  Top w0.8: 58,9.08 60.96,9.08 61.87,8.17 U3.7
Net-(VR1-E): length 4.5
  Top w0.4: VR1.3 22.14,53.62 R8.2 22.14,53.65 22.04,53.75

## Copper pours and planes (outline as drawn; the poured copper is in the pictures)
GNDA on Bottom: 21.3,48.06 19.86,48.08 19.5,48.08 19.27,47.85 19.27,45.87 11.39,45.87 11.39,61.28 22.66,61.28 22.66,49.42
GNDREF on Top: -0.14,96.3 -0.04,1.97 1.69,0.14 85.2,0.09 87.29,2.02 87.29,96.41 85,98.76 2.49,98.81
GNDREF on Bottom: 0.17,95.99 0.27,1.65 2,-0.18 85.52,-0.23 87.59,1.92 88.62,97.15 85.94,98.69 3.07,98.74

## Text on the board
